# Altium PCB OECU_BASE.PcbDoc (part 6 of 6) (continued)
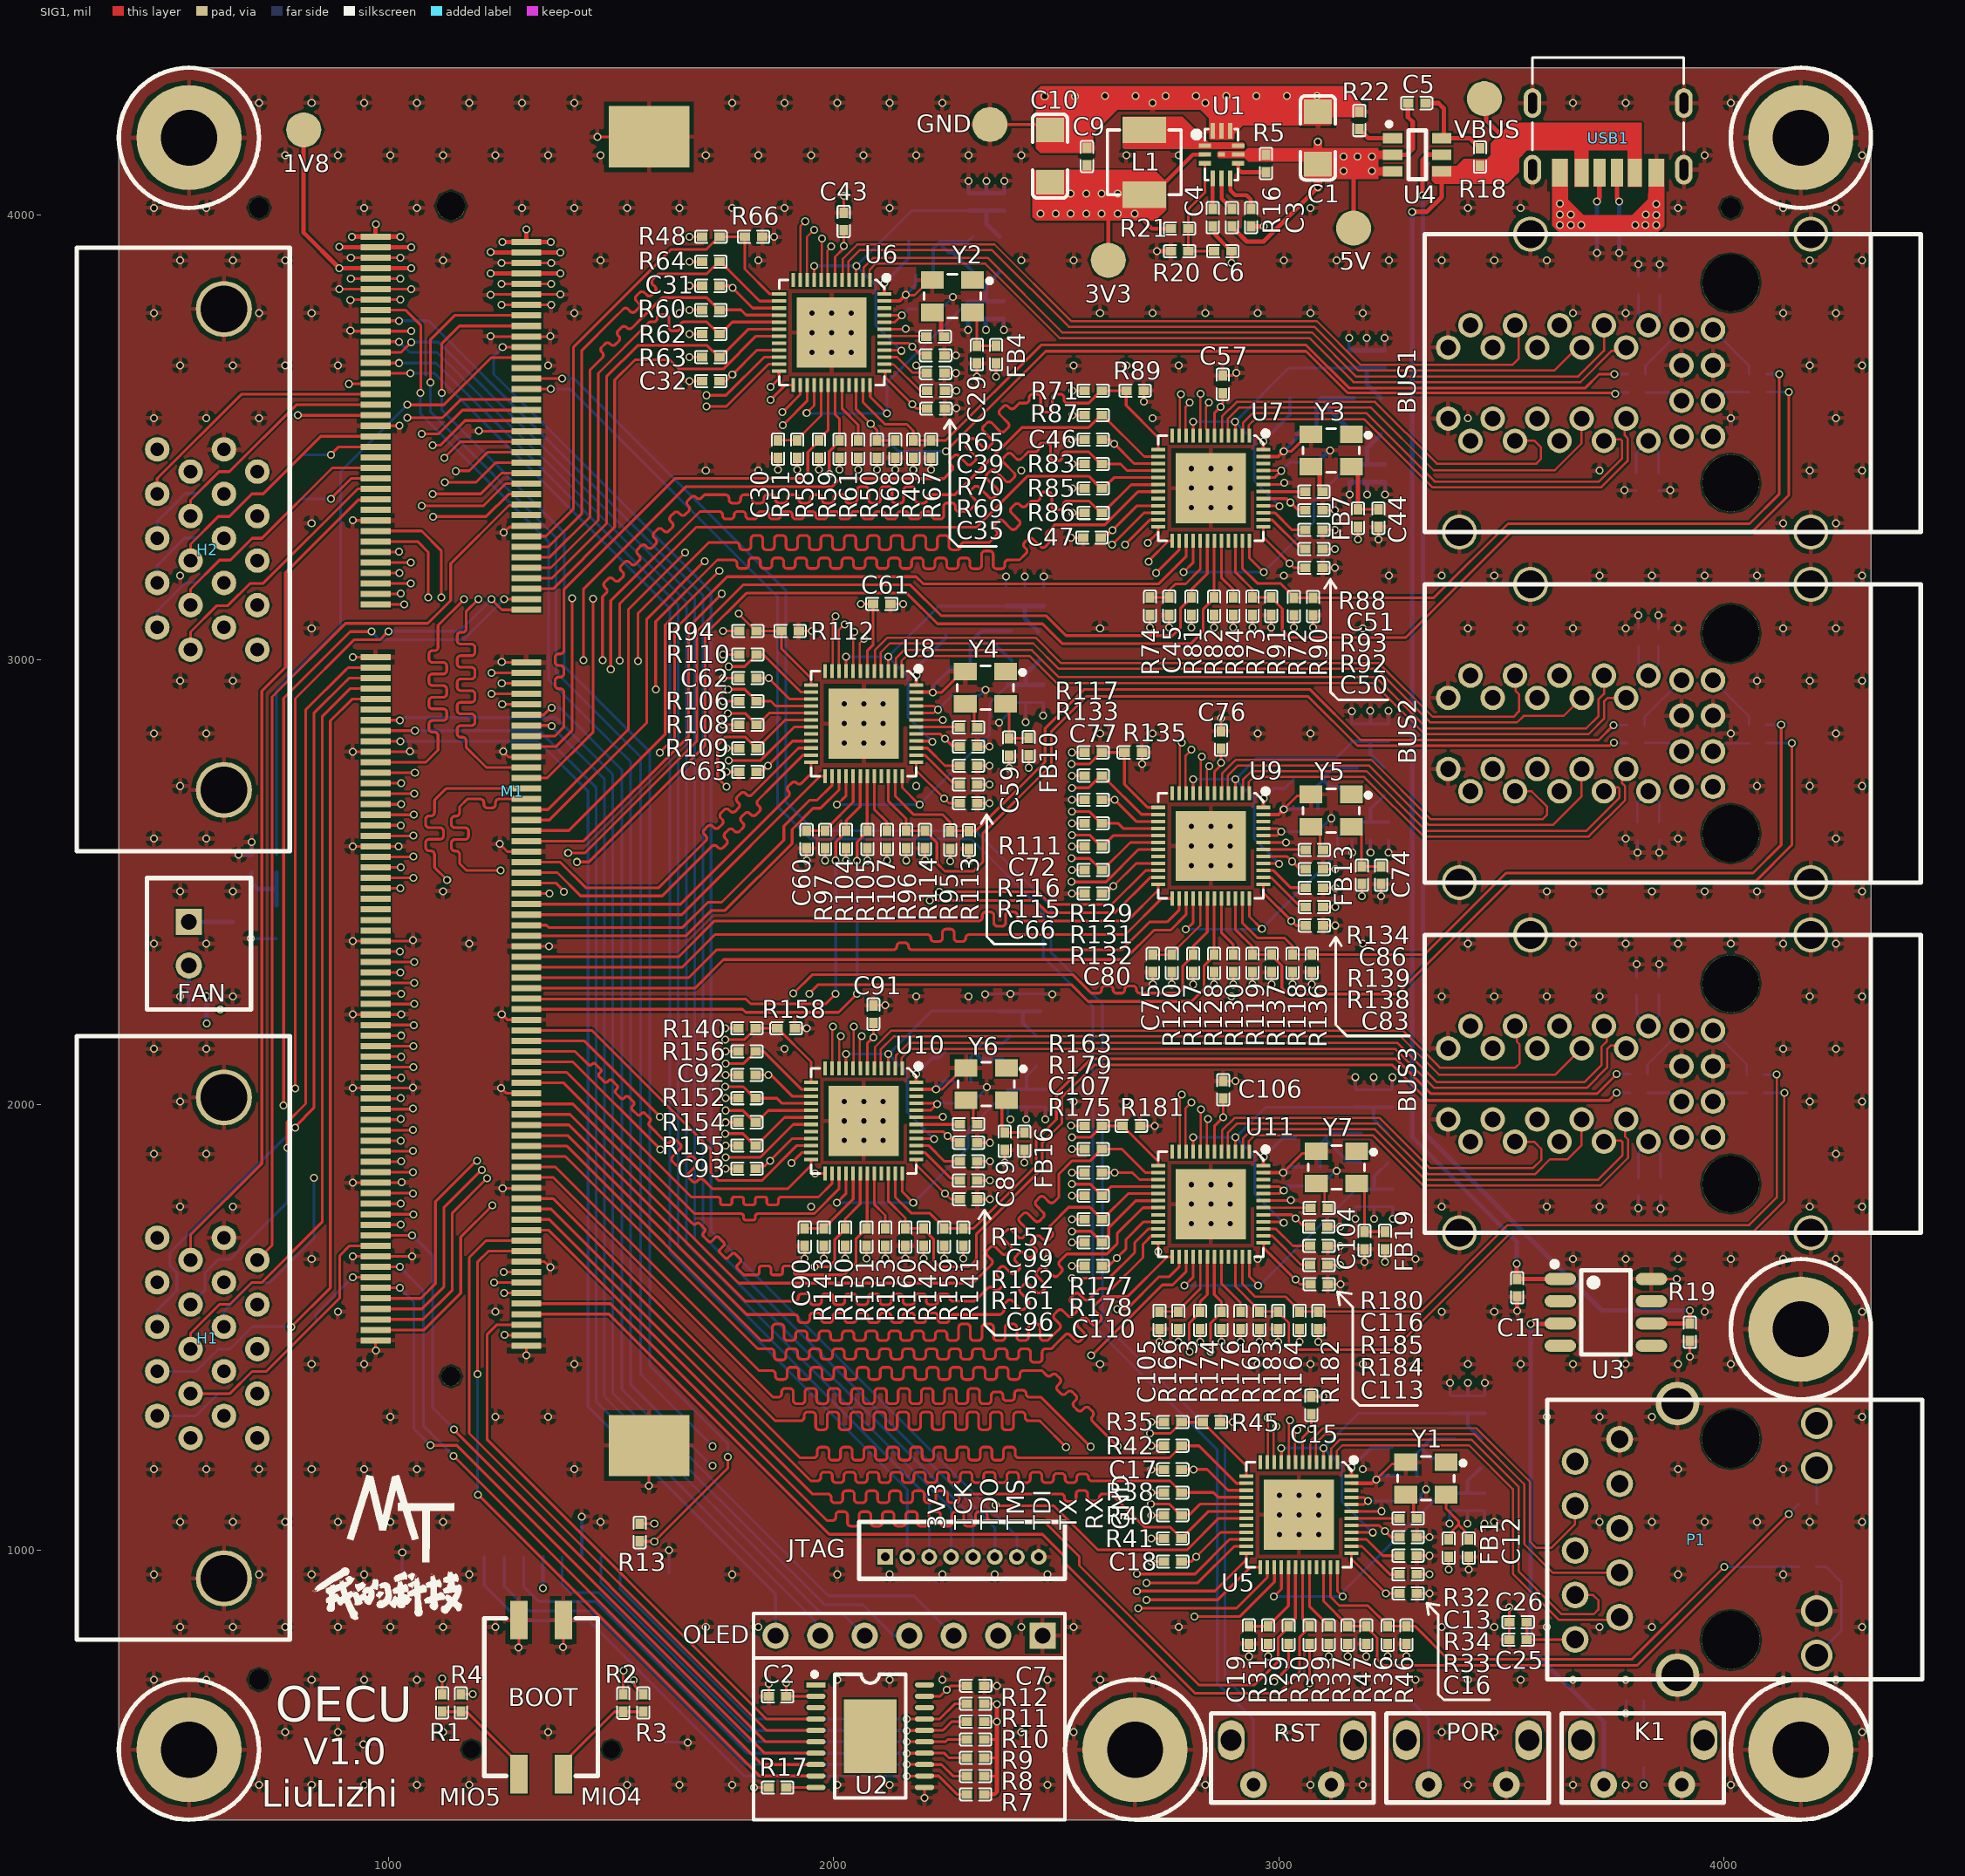
[diagram p0: SIG1 view]
## Nets (pads, with @x,y where several pads share a name; then routed paths per layer and width w, separated by ;. In a path a pad name is that pad's centre, name@x,y a point inside that pad or via, vN(x,y) a via of type N, cw(c..) or ccw(c..) an arc to the next point about the centre after c; other vN are vias at no path point) (continued)
  SIG1 w6: v1(2791,2395) 2793,2395 2808,2410 U9.28@2808,2464 ; U9.36@2934,2463.78 2934,2423 2961.14,2395.86 v1(2962,2395.86)
  SIG3 w6: v1(2791,2395) 2961.14,2395 v1(2962,2395.86) 3132,2565.86 3132,2600.57 3157.94,2626.5 3164.78,2633.35 C84.2@3164.78,2635.32 ; C81.2@3206,2635 C81.2@3206,2635.32 ; FB14.2@3220.02,2679.71 3221.01,2679.71 3236.32,2695.02 FB14.2@3236.32,2696 ; C78.2@3246.32,2635.32 C78.2@3247,2636
  SIG3 w8: C84.2@3164.78,2635.32 C81.2@3206,2635.32 ; FB14.2@3220.02,2679.71 3206,2665.68 C81.2@3206,2635.32 ; C78.2@3246.32,2635.32 C81.2@3206,2635.32
PHY5_1V05: C103.2 FB17.1 FB18.1 L7.1 | length 254
  SIG3 w6: L7.1@2307.69,2106.65 L7.1@2321.04,2120 ; L7.1@2321.04,2113.9 L7.1@2321.04,2120 ; L7.1@2321.04,2126.1 L7.1@2321.04,2120
  SIG3 w8: C103.2@2307.69,2054 L7.1@2307.69,2106.65 ; L7.1@2321.04,2113.9 2332.44,2102.5 2380.38,2102.5 2394.68,2088.19 FB17.1@2394.68,2088 ; L7.1@2321.04,2126.1 2333.44,2138.5 2375.69,2138.5 2375.9,2138.71 2380.38,2138.71 2394.68,2153.02 FB18.1@2394.68,2154
PHY5_1V05A: C95.2 C98.2 C101.2 FB18.2 U10.3 U10.9 U10.40 | length 885.1
  SIG1 w6: U10.9@2028.02,2082.11 v1(2028,2114) ; U10.3@2122.5,2082.11 2122.5,2113.5 v1(2123,2114) ; U10.40@2185.5,1924.63 2224.37,1924.63 v1(2226,1923)
  SIG3 w6: v1(2028,2114) v1(2123,2114) ; v1(2226,1923) 2165,1984 2165,2072 v1(2123,2114) ; C101.2@2370,2211 2220,2211 v1(2123,2114) ; FB18.2@2439.02,2170.29 2440.01,2170.29 2455.32,2154.98 FB18.2@2455.32,2154
  SIG3 w8: C101.2@2370,2210 C98.2@2425,2210 ; FB18.2@2439.02,2170.29 2425,2184.32 C98.2@2425,2210 ; C95.2@2465,2210 C98.2@2425,2210
PHY5_1V05D: C94.2 C97.2 C100.2 FB17.2 U10.28 U10.36 | length 813.3
  SIG1 w6: v1(2007,1780) 2028.02,1801.02 U10.28@2028.02,1845.89 ; U10.36@2154,1845.89 2154,1805 v1(2179,1780)
  SIG3 w6: v1(2007,1780) v1(2179,1780) 2302,1903 2302,1943.72 2391,2032.72 C100.2@2391,2034.69 ; C100.2@2393.16,2030 C100.2@2397.84,2034.69 ; FB17.2@2439.02,2071.71 2440.01,2071.71 2455.32,2087.02 FB17.2@2455.32,2088
  SIG3 w8: C100.2@2397.84,2034.69 C97.2@2433,2034.69 ; FB17.2@2439.02,2071.71 2433,2065.69 C97.2@2433,2034.69 ; C94.2@2476,2034.69 C97.2@2433,2034.69
PHY6_1V05: C117.2 FB20.1 FB21.1 L8.1 | length 258.1
  SIG3 w6: L8.1@3092.69,1912.65 L8.1@3107.04,1927 ; L8.1@3116.04,1936 L8.1@3107.04,1927 ; L8.1@3126.87,1901.06 3107.04,1920.9 L8.1@3107.04,1927 ; FB20.1@3181.54,1873.15 FB20.1@3184.68,1870
  SIG3 w8: C117.2@3092.69,1861 L8.1@3092.69,1912.65 ; L8.1@3116.04,1936 FB21.1@3184.68,1936 ; L8.1@3126.87,1901.06 3154.79,1873.15 FB20.1@3181.54,1873.15
PHY6_1V05A: C109.2 C112.2 C115.2 FB21.2 U11.3 U11.9 U11.40 | length 895.6
  SIG1 w6: U11.9@2808.02,1895 v1(2808,1927) ; U11.3@2902.5,1895 2902.5,1926.5 v1(2903,1927) ; U11.40@2965.5,1737.52 3005.31,1737.52 3007.83,1735 v1(3011,1735)
  SIG3 w6: v1(2808,1927) v1(2903,1927) ; v1(3011,1735) 2946,1800 2946,1884 v1(2903,1927) ; C109.2@3172,1995 2971,1995 v1(2903,1927) ; FB21.2@3229.02,1952.29 3230.01,1952.29 3245.32,1936.98 FB21.2@3245.32,1936
  SIG3 w8: C109.2@3172,1995 C112.2@3213,1995 ; FB21.2@3229.02,1952.29 3213,1968.32 C112.2@3213,1995 ; C115.2@3255,1995 C112.2@3213,1995
PHY6_1V05D: C108.2 C111.2 C114.2 FB20.2 U11.28 U11.36 | length 778.5
  SIG1 w6: v1(2788,1594) 2789,1594 2808.02,1613.02 U11.28@2808.02,1658.78 ; U11.36@2934,1658.78 2934,1614 v1(2954,1594)
  SIG3 w6: v1(2788,1594) v1(2954,1594) 2956.24,1596.24 2959.53,1596.24 3165.16,1801.87 3172,1808.72 C114.2@3172,1810.69 ; FB20.2@3229.02,1853.71 3230.01,1853.71 3245.32,1869.02 FB20.2@3245.32,1870
  SIG3 w8: C114.2@3172,1810.69 C111.2@3214,1810.69 ; FB20.2@3229.02,1853.71 3214,1838.69 C111.2@3214,1810.69 ; C108.2@3256,1810.69 C111.2@3214,1810.69
PHY_1V05: C20.2 FB2.1 FB3.1 L2.1 | length 239.3
  SIG3 w6: L2.1@3310.69,1217.65 L2.1@3324.04,1231
  SIG3 w8: C20.2@3310.69,1167 L2.1@3310.69,1217.65 ; FB2.1@3392.68,1184 3383.75,1192.94 3367.06,1192.94 3353.94,1206.06 3342.87,1206.06 3324.04,1224.9 L2.1@3324.04,1231 3342.04,1249 FB3.1@3394.68,1249
PHY_1V05A: C22.2 C24.2 C28.2 FB3.2 U5.3 U5.9 U5.40 | length 907.9
  SIG1 w6: U5.9@3006.02,1197 v1(3006,1229) ; U5.3@3100.5,1197 3100.5,1228.5 v1(3101,1229) ; U5.40@3163.5,1039.52 3210.48,1039.52 v1(3211,1039)
  SIG3 w6: v1(3006,1229) v1(3101,1229) ; v1(3211,1039) 3142,1108 3142,1188 v1(3101,1229) ; C22.2@3385,1307 3179,1307 v1(3101,1229)
  SIG3 w8: C22.2@3385,1307 3385.13,1306.87 C24.2@3425,1306.87 ; C24.2@3425,1307 C24.2@3425,1306.87 ; FB3.2@3455.32,1249 3455.32,1249.98 3440.01,1265.29 3439.02,1265.29 3425,1279.32 C24.2@3425,1306.87 ; C28.2@3462.87,1306.87 C24.2@3425,1306.87
PHY_1V05D: C21.2 C23.2 C27.2 FB2.2 U5.28 U5.36 | length 787.9
  SIG1 w6: v1(2989,895) 3006.02,912.02 U5.28@3006.02,960.78 ; U5.36@3132,960.78 3132,907 v1(3144,895)
  SIG3 w6: v1(2989,895) v1(3144,895) 3145.38,896.38 3145.38,906.88 3366.5,1128 C27.2@3384,1128
  SIG3 w8: C27.2@3384,1128 C23.2@3424,1128 ; FB2.2@3453.32,1184 3453.32,1183.02 3438.01,1167.71 3437.02,1167.71 3424,1154.68 C23.2@3424,1128 ; C21.2@3461.87,1127.87 3461.74,1128 C23.2@3424,1128
PHY_AD0: R37.2 R44.1 R47.1 U5.34 | length 1383.6
  SIG1 w6: U5.34@3100.5,960.78 3100.5,884.83 3155,830.34 R37.2@3155,828.37 R47.1@3197,828.37 3197,826.4 3221,802.4 3221,755 3235,741 3806,741 v1(4146,1081)
  SIG3 w6: v1@4146.35,1081 4160.5,1095.16 4167.35,1102 R44.1@4169.31,1102
PHY_AD1: R36.2 R43.1 R46.1 U5.35 | length 1263.7
  SIG1 w6: U5.35@3116.25,960.78 3116.25,894.75 3136,875 3200.34,875 3245,830.34 R36.2@3245,828.37 R46.1@3287,828.37 3306.63,828.37 3381,754 3793,754 v1(4001,962)
  SIG3 w6: v1(4001,962) R43.1@4168.31,962
PHYRST0: C19.1 R31.2 U5.29 | length 195.5
  SIG1 w6.16: C19.1@2933,828.37 R31.2@2976,828.37 2976,830.34 2982.76,837.1 2984.73,837.1 3021.76,874.13 U5.29@3021.76,960.78
PHYRST1: C30.1 R51.2 U6.29 | length 189.4
  SIG1 w5: C30.1@1875,3493.18 R51.2@1918,3493.19 1918,3495.15 1925.34,3502.5 1971.76,3548.92 U6.29@1971.76,3617.28
PHYRST2: C45.1 R74.2 U7.29 | length 213.1
  SIG1 w5.61: R74.2@2711,3140 C45.1@2754,3140 2754,3157 2768,3171 2791,3171 2823.76,3203.76 U7.29@2823.76,3267.78
PHYRST3: C60.1 R97.2 U8.29 | length 190.8
  SIG1 w6.16: C60.1@1939,2616 R97.2@1981,2616 1981,2617.97 1987.76,2624.73 2043.76,2680.73 U8.29@2043.76,2738.78
PHYRST4: C75.1 R120.2 U9.29 | length 193.5
  SIG1 w5: C75.1@2717,2337.68 R120.2@2760,2337.69 ; R120.2@2760,2339.65 2823.76,2403.42 U9.29@2823.76,2463.78
PHYRST5: C90.1 R143.2 U10.29 | length 194.6
  SIG1 w6.16: C90.1@1935,1722.68 R143.2@1978,1722.69 1978,1724.65 1984.76,1731.42 1986.73,1731.42 2043.76,1788.45 U10.29@2043.76,1845.89
PHYRST6: C105.1 R166.2 U11.29 | length 185.7
  SIG1 w5.61: C105.1@2732,1535.68 R166.2@2774,1535.69 2774,1537.65 2781.04,1544.69 2823.76,1587.42 U11.29@2823.76,1658.78
PL_GCLK: M1.119
PS_POR_B: M1.26
PS_SRST_B: M1.30 RST.2 | length 4082.6
  SIG1 w6: M1.30@1309.29,3608.58 1309.71,3609 v1(1364,3609)
  SIG3 w6: v1(1364,3609) 1406.92,3609 1873.5,3142.42 1873.5,2671.25 1947.25,2597.5 2309,2597.5 2471,2435.5 2471,2333 2582,2222 2582,1505 2862,1225 2862,700 2943.11,618.89 RST.2@2943.11,472.44
R19: M1.125
RESET_POR: M1.28 POR.2 | length 4488.1
  SIG1 w6: M1.28@1309.29,3632.2 1309.5,3632 v1(1390,3632)
  SIG3 w6: v1(1390,3632) 1416.52,3632 1892,3156.52 1892,2681.02 1957.02,2616 2318,2616 2488.5,2445.5 2488.5,2342 2604,2226.5 2604,1512 2879,1237 2879,713 2932,660 3298,660 3336.81,621.19 POR.2@3336.81,472.44
RXDLY: R39.1 U5.32 | length 150.2
  SIG1 w6.16: U5.32@3069.01,960.78 3069.01,873.33 3105.24,837.1 3112,830.34 R39.1@3112,828.37
SD_CK: J1.5 R10.2 U2.15 | length 1119.2
  SIG1 w6: v1(2164,569) 2203.99,569 U2.15@2204.09,568.9 2250.9,568.9 2256,574 2299.15,574 R10.2@2299.2,573.95
  SIG3 w6: J1.5@1390.13,984.25 1390.13,922.87 1409,904 1473,904 1808,569 v1(2164,569)
SD_CMD: J1.3 R9.2 U2.14 | length 1222.1
  SIG1 w6: U2.14@2204.09,543.31 2248.69,543.31 2259.05,532.95 R9.2@2299.2,532.95
  SIG1 w6.16: v1(2164,543) 2203.79,543 U2.14@2204.09,543.31
  SIG3 w6.16: J1.3@1303.27,984.25 1303.27,917.73 1337,884 1465,884 1806,543 v1(2164,543)
SD_D0: J1.7 R11.2 U2.16 | length 1026.2
  SIG1 w6: U2.16@2204.09,594.49 2245.49,594.49 2264.95,613.95 R11.2@2299.2,613.95
  SIG1 w6.16: v1(2164,594) 2203.61,594 U2.16@2204.09,594.49
  SIG3 w6.16: J1.7@1476.99,984.25 1476.99,926.01 1809,594 v1(2164,594)
SD_D1: J1.8 R12.2 U2.17 | length 985.7
  SIG1 w6: v1(2163.69,620) 2204.02,620 U2.17@2204.09,620.08 2238.08,620.08 2271.95,653.95 R12.2@2299.2,653.95
  SIG3 w6: J1.8@1520.42,984.25 1520.42,912.58 1813,620 v1(2163.69,620)
SD_D2: J1.1 R7.2 U2.12 | length 1342.9
  SIG1 w6: U2.12@2204.09,492.12 2235.88,492.12 2277.05,450.95 R7.2@2299.2,450.95
  SIG1 w6.16: v1(2164,492) 2203.97,492 U2.12@2204.09,492.12
  SIG3 w6.16: J1.1@1214.92,984.25 1214.92,920.08 1294,841 1450,841 1799,492 v1(2164,492)
SD_D3: J1.2 R8.2 U2.13 | length 1282
  SIG1 w6: v1(2164,518) 2203.81,518 U2.13@2204.09,517.71 2242.29,517.71 2268.05,491.95 R8.2@2299.2,491.95
  SIG3 w6: J1.2@1259.84,984.25 1259.84,918.16 1315,863 1456,863 1801,518 v1(2164,518)
T19: M1.123
U13: M1.54
U19: M1.121
V5: M1.43
V13: M1.53
VBUS: C11.1 R18.2 U3.1 U4.4 USB1.2 USB1.5 VBUS.1 | length 2863.2
  SIG1 w10: v1(3300,4007) 3333,4007 3366.12,4040.12 U4.4@3366.12,4097.6 ; 3416,4093 3417,4094 ; VBUS.1@3462,4261 3466.51,4256.49 3466.51,4212.49 3523,4156 ; C11.1@3535,1607.68 C11.1@3536,1608.68 ; v1(3535,1643) 3535,1619.5 3535,1609.69 C11.1@3536,1608.68 ; U3.1@3632.64,1609 3536.31,1609 C11.1@3536,1608.68
  SIG3 w10: v1(3300,4007) 3300,1927 3535,1692 v1(3535,1643)
pads on no net: BUS1. BUS2. BUS3. J1.11 J1.12 K1.0 M1.A P1. POR.0 RST.0 U2.0 U2.1 U2.3 U2.18 U2.20 U3.2 U3.4 U3.5 U3.7 U5.12 U5.20 U5.33 U5.46 U6.12 U6.20 U6.33 U6.46 U7.12 U7.20 U7.33 U7.46 U8.12 U8.20 U8.33 U8.46 U9.12 U9.20 U9.33 U9.46 U10.12 U10.20 U10.33 U10.46 U11.12 U11.20 U11.33 U11.46 Y1.1 Y2.1 Y3.1 Y4.1 Y5.1 Y6.1 Y7.1

## Polygon pours and split planes (outlines as drawn)
GND on SIG3 "GND_L06_P002" (solid, remove dead copper, pour order 2): 551.18,393.7 cw(c551.18,551.18) 393.7,551.18 393.7,4173.23 cw(c551.18,4173.23) 551.18,4330.71 4173.23,4330.71 cw(c4173.23,4173.23) 4330.71,4173.23 4330.71,551.18 cw(c4173.23,551.18) 4173.23,393.7
GND on SIG1 "GND_L01_P000" (solid, remove dead copper, pour order 0): 551.18,393.7 cw(c551.18,551.18) 393.7,551.18 393.7,4173.23 cw(c551.18,4173.23) 551.18,4330.71 4173.23,4330.71 cw(c4173.23,4173.23) 4330.71,4173.23 4330.71,551.18 cw(c4173.23,551.18) 4173.23,393.7
GND on SIG2 "GND_L03_P001" (solid, remove dead copper, pour order 1): 551.18,393.7 cw(c551.18,551.18) 393.7,551.18 393.7,4173.23 cw(c551.18,4173.23) 551.18,4330.71 4173.23,4330.71 cw(c4173.23,4173.23) 4330.71,4173.23 4330.71,551.18 cw(c4173.23,551.18) 4173.23,393.7
GND on GND1 (split plane): 420.13,463.62 423.75,458.57 419.96,463.5 416.85,468.89
GND on GND1 (split plane): 447.26,432.68 452.06,428.74 447.12,432.53 442.73,436.92
GND on GND1 (split plane): 432.68,447.26 436.92,442.73 432.53,447.12 428.74,452.06
GND on GND1 (split plane): 396.59,520.43 398,514.39 396.4,520.39 395.58,526.56
GND on GND1 (split plane): 409.82,481.47 412.75,475.99 409.64,481.38 407.26,487.13
GND on GND1 (split plane): 401.93,500.52 404.12,494.71 401.74,500.45 400.13,506.46
GND on GND1 (split plane): 500.52,401.93 506.46,400.13 500.45,401.74 494.71,404.12
GND on GND1 (split plane): 540.87,393.9 547.08,393.7 540.86,393.7 534.7,394.51
GND on GND1 (split plane): 520.43,396.59 526.56,395.58 520.39,396.4 514.39,398
GND on GND1 (split plane): 4173.23,4330.65 4173.23,4330.64 4183.52,4330.31 4193.77,4329.3 4203.94,4327.62 4213.97,4325.28 4223.83,4322.29 4233.47,4318.66 4242.85,4314.41 4251.94,4309.55 4260.68,4304.11 4269.06,4298.11 4277.02,4291.58 4284.54,4284.54 4291.58,4277.02 4298.11,4269.06 4304.11,4260.68 4309.55,4251.94 4314.41,4242.85 4318.66,4233.47 4322.29,4223.83 4325.28,4213.97 4327.62,4203.94 4329.3,4193.77 4330.31,4183.52 4330.64,4173.23 4330.65,4173.23 4330.65,551.18 4330.64,551.18 4330.31,540.89 4329.3,530.63 4327.62,520.47 4325.28,510.44 4322.29,500.58 4318.66,490.94 4314.41,481.56 4309.55,472.47 4304.11,463.73 4298.11,455.35 4291.58,447.39 4284.54,439.87 4277.02,432.83 4269.06,426.3 4260.68,420.3 4251.94,414.86 4242.85,410 4233.47,405.75 4223.83,402.12 4213.97,399.13 4203.94,396.79 4193.77,395.11 4183.52,394.1 4173.23,393.77 4173.23,393.75 551.18,393.75 551.18,393.77 540.89,394.1 530.63,395.11 520.47,396.79 510.44,399.13 500.58,402.12 490.94,405.75 481.56,410 472.47,414.86 463.73,420.3 455.35,426.3 447.39,432.83 439.87,439.87 432.83,447.39 426.3,455.35 420.3,463.73 414.86,472.47 410,481.56 405.75,490.94 402.12,500.58 399.13,510.44 396.79,520.47 395.11,530.63 394.1,540.89 393.77,551.18 393.75,551.18 393.75,4173.23 393.77,4173.23 394.1,4183.52 395.11,4193.77 396.79,4203.94 399.13,4213.97 402.12,4223.83 405.75,4233.47 410,4242.85 414.86,4251.94 420.3,4260.68 426.3,4269.06 432.83,4277.02 439.87,4284.54 447.39,4291.58 455.35,4298.11 463.73,4304.11 472.47,4309.55 481.56,4314.41 490.94,4318.66 500.58,4322.29 510.44,4325.28 520.47,4327.62 530.63,4329.3 540.89,4330.31 551.18,4330.64 551.18,4330.65 4173.23,4330.65
GND on GND1 (split plane): 481.47,409.82 487.13,407.26 481.38,409.64 475.99,412.75
GND on GND1 (split plane): 463.62,420.13 468.89,416.85 463.5,419.96 458.57,423.75
GND on GND1 (split plane): 393.9,540.87 394.51,534.7 393.7,540.86 393.7,547.08
GND on GND1 (split plane): 393.9,4183.54 393.7,4177.33 393.7,4183.55 394.51,4189.71
GND on GND1 (split plane): 396.59,4203.98 395.58,4197.85 396.4,4204.02 398,4210.02
GND on GND1 (split plane): 401.93,4223.89 400.13,4217.95 401.74,4223.96 404.12,4229.7
GND on GND1 (split plane): 409.82,4242.94 407.26,4237.29 409.64,4243.03 412.75,4248.41
GND on GND1 (split plane): 420.13,4260.79 416.85,4255.52 419.96,4260.91 423.74,4265.84
GND on GND1 (split plane): 432.68,4277.15 428.74,4272.35 432.53,4277.28 436.92,4281.68
GND on GND1 (split plane): 447.26,4291.73 442.73,4287.49 447.12,4291.88 452.06,4295.67
GND on GND1 (split plane): 463.62,4304.28 458.57,4300.66 463.5,4304.45 468.89,4307.56
GND on GND1 (split plane): 481.47,4314.59 475.99,4311.66 481.38,4314.77 487.12,4317.15
GND on GND1 (split plane): 500.52,4322.48 494.71,4320.29 500.45,4322.67 506.45,4324.28
GND on GND1 (split plane): 520.43,4327.81 514.39,4326.41 520.39,4328.01 526.55,4328.83
GND on GND1 (split plane): 4183.55,393.7 4177.33,393.7 4183.54,393.9 4189.72,394.51
GND on GND1 (split plane): 4204.02,396.4 4197.85,395.58 4203.98,396.59 4210.02,398
GND on GND1 (split plane): 4223.96,401.74 4217.95,400.13 4223.89,401.93 4229.7,404.12
GND on GND1 (split plane): 4243.03,409.64 4237.29,407.26 4242.94,409.82 4248.41,412.75
GND on GND1 (split plane): 4260.91,419.96 4255.52,416.85 4260.79,420.13 4265.84,423.74
GND on GND1 (split plane): 4277.28,432.53 4272.35,428.74 4277.15,432.68 4281.68,436.92
GND on GND1 (split plane): 4291.88,447.12 4287.49,442.73 4291.73,447.26 4295.67,452.06
GND on GND1 (split plane): 4304.45,463.5 4300.66,458.57 4304.28,463.62 4307.56,468.89
GND on GND1 (split plane): 4314.77,481.38 4311.66,476 4314.59,481.47 4317.15,487.12
GND on GND1 (split plane): 4322.67,500.45 4320.29,494.71 4322.48,500.52 4324.28,506.45
GND on GND1 (split plane): 4328.01,520.39 4326.41,514.39 4327.81,520.43 4328.83,526.55
GND on GND1 (split plane): 4330.71,540.86 4329.9,534.7 4330.51,540.87 4330.71,547.07
GND on GND1 (split plane): 4223.96,4322.67 4229.7,4320.29 4223.89,4322.48 4217.95,4324.28
GND on GND1 (split plane): 4260.91,4304.45 4265.84,4300.67 4260.79,4304.28 4255.52,4307.56
GND on GND1 (split plane): 4243.03,4314.77 4248.41,4311.66 4242.94,4314.59 4237.29,4317.15
GND on GND1 (split plane): 540.87,4330.51 534.7,4329.9 540.86,4330.71 547.07,4330.71
GND on GND1 (split plane): 4204.02,4328.01 4210.02,4326.41 4203.98,4327.81 4197.86,4328.83
GND on GND1 (split plane): 4189.71,4329.9 4183.54,4330.51 4177.34,4330.71 4183.55,4330.71
GND on GND1 (split plane): 4322.67,4223.96 4324.28,4217.95 4322.48,4223.89 4320.29,4229.7
GND on GND1 (split plane): 4330.71,4183.55 4330.71,4177.34 4330.51,4183.54 4329.9,4189.71
GND on GND1 (split plane): 4328.01,4204.02 4328.83,4197.86 4327.81,4203.98 4326.41,4210.02
GND on GND1 (split plane): 4291.88,4277.28 4295.67,4272.35 4291.73,4277.15 4287.49,4281.68
GND on GND1 (split plane): 4277.28,4291.88 4281.68,4287.49 4277.15,4291.73 4272.35,4295.67
GND on GND1 (split plane): 4314.77,4243.03 4317.15,4237.29 4314.59,4242.94 4311.66,4248.41
GND on GND1 (split plane): 4304.45,4260.91 4307.56,4255.52 4304.28,4260.79 4300.67,4265.84
5V on POWER (split plane): 551.18,4290.62 4173.23,4290.62 4173.96,4290.67 4182.44,4290.34 4191.6,4289.25 4200.65,4287.45 4209.53,4284.95 4218.18,4281.76 4226.56,4277.9 4234.61,4273.39 4242.28,4268.26 4249.52,4262.55 4256.29,4256.29 4262.55,4249.52 4268.26,4242.28 4273.39,4234.61 4277.9,4226.56 4281.76,4218.18 4284.95,4209.53 4287.45,4200.65 4289.25,4191.6 4290.34,4182.44 4290.67,4173.96 4290.62,4173.23 4290.62,3963.1 2904.11,3963.1 2743.6,4123.6 2741.95,4124.71 2740,4125.1 1533,4125.1 1531.05,4124.71 1529.4,4123.6 1494.65,4088.85 1493.54,4087.2 1493.15,4085.25 1493.15,3904.1 726,3904.1 724.05,3903.71 722.4,3902.6 663.4,3843.6 662.29,3841.95 661.9,3840 661.9,1191 661.9,433.79 551.18,433.79 550.45,433.74 541.96,434.07 532.8,435.16 523.76,436.96 514.88,439.46 506.23,442.65 497.85,446.51 489.8,451.02 482.13,456.15 474.89,461.86 468.12,468.12 461.86,474.89 456.15,482.13 451.02,489.8 446.51,497.85 442.65,506.23 439.46,514.88 436.96,523.76 435.16,532.8 434.07,541.96 433.74,550.45 433.79,551.18 433.79,4173.23 433.74,4173.96 434.07,4182.44 435.16,4191.6 436.96,4200.65 439.46,4209.53 442.65,4218.18 446.51,4226.56 451.02,4234.61 456.15,4242.28 461.86,4249.52 468.12,4256.29 474.89,4262.55 482.13,4268.26 489.8,4273.39 497.85,4277.9 506.23,4281.76 514.88,4284.95 523.76,4287.45 532.8,4289.25 541.96,4290.34 550.45,4290.67
3V3 on POWER (split plane): 2898.4,3954.4 2900.05,3953.29 2902,3952.9 4290.62,3952.9 4290.62,551.18 4290.67,550.45 4290.34,541.96 4289.25,532.8 4287.45,523.76 4284.95,514.88 4281.76,506.23 4277.9,497.85 4273.39,489.8 4268.26,482.13 4262.55,474.89 4256.29,468.12 4249.52,461.86 4242.28,456.15 4234.61,451.02 4226.56,446.51 4218.18,442.65 4209.53,439.46 4200.65,436.96 4191.6,435.16 4182.44,434.07 4173.96,433.74 4173.23,433.79 3175.1,433.79 3175.1,676 3174.71,677.95 3173.6,679.6 3123.6,729.6 3121.95,730.71 3120,731.1 2922.11,731.1 2875.1,778.11 2875.1,1207 2874.71,1208.95 2873.6,1210.6 2818.6,1265.6 2816.95,1266.71 2815,1267.1 2660,1267.1 2658.05,1266.71 2656.4,1265.6 2604.4,1213.6 2603.29,1211.95 2602.9,1210 2602.9,719.11 2482.89,599.1 2047.11,599.1 2006.27,639.94 2006.27,699.83 2006.27,714.83 2005.88,716.78 2004.78,718.43 1980.6,742.6 1978.95,743.71 1977,744.1 1797,744.1 1795.05,743.71 1793.4,742.6 1772.69,721.9 1771.59,720.25 1771.2,718.3 1771.2,639.41 1748.89,617.1 1125.11,617.1 1097.1,645.11 1097.1,1078 1096.71,1079.95 1095.6,1081.6 860.1,1317.11 860.1,3768.89 907.11,3815.9 1463,3815.9 1464.95,3816.29 1466.6,3817.4 1501.85,3852.65 1502.96,3854.3 1503.35,3856.25 1503.35,3899 1503.35,4083.14 1535.11,4114.9 2737.89,4114.9
1V8 on POWER (split plane): 1493.15,3858.36 1460.89,3826.1 905,3826.1 903.05,3825.71 901.4,3824.6 851.4,3774.6 850.29,3772.95 849.9,3771 849.9,1315 850.29,1313.05 851.4,1311.4 1086.9,1075.89 1086.9,643 1087.29,641.05 1088.4,639.4 1119.4,608.4 1121.05,607.29 1123,606.9 1751,606.9 1752.95,607.29 1754.6,608.4 1779.9,633.69 1781.01,635.35 1781.4,637.3 1781.4,716.19 1799.11,733.9 1974.89,733.9 1996.08,712.71 1996.08,699.83 1996.08,637.83 1996.46,635.87 1997.57,634.22 2041.4,590.4 2043.05,589.29 2045,588.9 2485,588.9 2486.95,589.29 2488.6,590.4 2611.6,713.4 2612.71,715.05 2613.1,717 2613.1,1207.89 2662.11,1256.9 2812.89,1256.9 2864.9,1204.89 2864.9,776 2865.29,774.05 2866.4,772.4 2916.4,722.4 2918.05,721.29 2920,720.9 3117.89,720.9 3164.9,673.89 3164.9,433.79 672.1,433.79 672.1,1191 672.1,3837.89 728.11,3893.9 1493.15,3893.9
GND on GND2 (split plane): 420.13,463.62 423.75,458.57 419.96,463.5 416.85,468.89
GND on GND2 (split plane): 447.26,432.68 452.06,428.74 447.12,432.53 442.73,436.92
GND on GND2 (split plane): 432.68,447.26 436.92,442.73 432.53,447.12 428.74,452.06
GND on GND2 (split plane): 396.59,520.43 398,514.39 396.4,520.39 395.58,526.56
GND on GND2 (split plane): 409.82,481.47 412.75,475.99 409.64,481.38 407.26,487.13
GND on GND2 (split plane): 401.93,500.52 404.12,494.71 401.74,500.45 400.13,506.46
GND on GND2 (split plane): 500.52,401.93 506.46,400.13 500.45,401.74 494.71,404.12
GND on GND2 (split plane): 540.87,393.9 547.08,393.7 540.86,393.7 534.7,394.51
GND on GND2 (split plane): 520.43,396.59 526.56,395.58 520.39,396.4 514.39,398
GND on GND2 (split plane): 4173.23,4330.65 4173.23,4330.64 4183.52,4330.31 4193.77,4329.3 4203.94,4327.62 4213.97,4325.28 4223.83,4322.29 4233.47,4318.66 4242.85,4314.41 4251.94,4309.55 4260.68,4304.11 4269.06,4298.11 4277.02,4291.58 4284.54,4284.54 4291.58,4277.02 4298.11,4269.06 4304.11,4260.68 4309.55,4251.94 4314.41,4242.85 4318.66,4233.47 4322.29,4223.83 4325.28,4213.97 4327.62,4203.94 4329.3,4193.77 4330.31,4183.52 4330.64,4173.23 4330.65,4173.23 4330.65,551.18 4330.64,551.18 4330.31,540.89 4329.3,530.63 4327.62,520.47 4325.28,510.44 4322.29,500.58 4318.66,490.94 4314.41,481.56 4309.55,472.47 4304.11,463.73 4298.11,455.35 4291.58,447.39 4284.54,439.87 4277.02,432.83 4269.06,426.3 4260.68,420.3 4251.94,414.86 4242.85,410 4233.47,405.75 4223.83,402.12 4213.97,399.13 4203.94,396.79 4193.77,395.11 4183.52,394.1 4173.23,393.77 4173.23,393.75 551.18,393.75 551.18,393.77 540.89,394.1 530.63,395.11 520.47,396.79 510.44,399.13 500.58,402.12 490.94,405.75 481.56,410 472.47,414.86 463.73,420.3 455.35,426.3 447.39,432.83 439.87,439.87 432.83,447.39 426.3,455.35 420.3,463.73 414.86,472.47 410,481.56 405.75,490.94 402.12,500.58 399.13,510.44 396.79,520.47 395.11,530.63 394.1,540.89 393.77,551.18 393.75,551.18 393.75,4173.23 393.77,4173.23 394.1,4183.52 395.11,4193.77 396.79,4203.94 399.13,4213.97 402.12,4223.83 405.75,4233.47 410,4242.85 414.86,4251.94 420.3,4260.68 426.3,4269.06 432.83,4277.02 439.87,4284.54 447.39,4291.58 455.35,4298.11 463.73,4304.11 472.47,4309.55 481.56,4314.41 490.94,4318.66 500.58,4322.29 510.44,4325.28 520.47,4327.62 530.63,4329.3 540.89,4330.31 551.18,4330.64 551.18,4330.65 4173.23,4330.65
GND on GND2 (split plane): 481.47,409.82 487.13,407.26 481.38,409.64 475.99,412.75
GND on GND2 (split plane): 463.62,420.13 468.89,416.85 463.5,419.96 458.57,423.75
GND on GND2 (split plane): 393.9,540.87 394.51,534.7 393.7,540.86 393.7,547.08
GND on GND2 (split plane): 393.9,4183.54 393.7,4177.33 393.7,4183.55 394.51,4189.71
GND on GND2 (split plane): 396.59,4203.98 395.58,4197.85 396.4,4204.02 398,4210.02
GND on GND2 (split plane): 401.93,4223.89 400.13,4217.95 401.74,4223.96 404.12,4229.7
GND on GND2 (split plane): 409.82,4242.94 407.26,4237.29 409.64,4243.03 412.75,4248.41
GND on GND2 (split plane): 420.13,4260.79 416.85,4255.52 419.96,4260.91 423.74,4265.84
GND on GND2 (split plane): 432.68,4277.15 428.74,4272.35 432.53,4277.28 436.92,4281.68
GND on GND2 (split plane): 447.26,4291.73 442.73,4287.49 447.12,4291.88 452.06,4295.67
GND on GND2 (split plane): 463.62,4304.28 458.57,4300.66 463.5,4304.45 468.89,4307.56
GND on GND2 (split plane): 481.47,4314.59 475.99,4311.66 481.38,4314.77 487.12,4317.15
GND on GND2 (split plane): 500.52,4322.48 494.71,4320.29 500.45,4322.67 506.45,4324.28
GND on GND2 (split plane): 520.43,4327.81 514.39,4326.41 520.39,4328.01 526.55,4328.83
GND on GND2 (split plane): 4183.55,393.7 4177.33,393.7 4183.54,393.9 4189.72,394.51
GND on GND2 (split plane): 4204.02,396.4 4197.85,395.58 4203.98,396.59 4210.02,398
GND on GND2 (split plane): 4223.96,401.74 4217.95,400.13 4223.89,401.93 4229.7,404.12
GND on GND2 (split plane): 4243.03,409.64 4237.29,407.26 4242.94,409.82 4248.41,412.75
GND on GND2 (split plane): 4260.91,419.96 4255.52,416.85 4260.79,420.13 4265.84,423.74
GND on GND2 (split plane): 4277.28,432.53 4272.35,428.74 4277.15,432.68 4281.68,436.92
GND on GND2 (split plane): 4291.88,447.12 4287.49,442.73 4291.73,447.26 4295.67,452.06
GND on GND2 (split plane): 4304.45,463.5 4300.66,458.57 4304.28,463.62 4307.56,468.89
GND on GND2 (split plane): 4314.77,481.38 4311.66,476 4314.59,481.47 4317.15,487.12
GND on GND2 (split plane): 4322.67,500.45 4320.29,494.71 4322.48,500.52 4324.28,506.45
GND on GND2 (split plane): 4328.01,520.39 4326.41,514.39 4327.81,520.43 4328.83,526.55
GND on GND2 (split plane): 4330.71,540.86 4329.9,534.7 4330.51,540.87 4330.71,547.07
GND on GND2 (split plane): 4223.96,4322.67 4229.7,4320.29 4223.89,4322.48 4217.95,4324.28
GND on GND2 (split plane): 4260.91,4304.45 4265.84,4300.67 4260.79,4304.28 4255.52,4307.56
GND on GND2 (split plane): 4243.03,4314.77 4248.41,4311.66 4242.94,4314.59 4237.29,4317.15
GND on GND2 (split plane): 540.87,4330.51 534.7,4329.9 540.86,4330.71 547.07,4330.71
GND on GND2 (split plane): 4204.02,4328.01 4210.02,4326.41 4203.98,4327.81 4197.86,4328.83
GND on GND2 (split plane): 4189.71,4329.9 4183.54,4330.51 4177.34,4330.71 4183.55,4330.71
GND on GND2 (split plane): 4322.67,4223.96 4324.28,4217.95 4322.48,4223.89 4320.29,4229.7
GND on GND2 (split plane): 4330.71,4183.55 4330.71,4177.34 4330.51,4183.54 4329.9,4189.71
GND on GND2 (split plane): 4328.01,4204.02 4328.83,4197.86 4327.81,4203.98 4326.41,4210.02
GND on GND2 (split plane): 4291.88,4277.28 4295.67,4272.35 4291.73,4277.15 4287.49,4281.68
GND on GND2 (split plane): 4277.28,4291.88 4281.68,4287.49 4277.15,4291.73 4272.35,4295.67
GND on GND2 (split plane): 4314.77,4243.03 4317.15,4237.29 4314.59,4242.94 4311.66,4248.41
GND on GND2 (split plane): 4304.45,4260.91 4307.56,4255.52 4304.28,4260.79 4300.67,4265.84

## Other copper
SIG1:
  region net GND: 3830.71,4062.99 3830.71,4125.98 3866.14,4125.98 3866,4125.84 3866,3975 3851,3960 3630,3960 3614.17,3975.83 3614.17,4125.98 3649.61,4125.98 3649.61,4034.39 3685,3999 3794,3999 3830.5,4035.5
  region net VBUS: 3664.57,4125.98 3664.57,4062.99 3696.06,4062.99 3696.06,4206.25 3695.32,4207 3667.32,4207 3665.32,4205
  region net VBUS: 3784.25,4125.98 3784.25,4062.99 3815.75,4062.99 3815.75,4206.25 3815,4207 3787,4207 3785,4205
  region net 3V3: 2454,4101 2721,4101 2747,4075 2747,4011 2723,3987 2455,3987 2447,3995 2447,4094
  region net GND: 3191,4220 3120,4220 3120,4205 3116,4201 2920,4201 2900,4181 2900,4172 2897,4169 2846,4169 2843,4172 2843,4217 2824,4236 2638,4236 2583,4181 2583,4143 2579,4139 2464,4139 2454,4149 2454,4278 2465,4289 3147,4289 3191,4245
  region net 5V: 2862,4140 2865,4143 2924,4143 2931,4150 3088,4150 3088,4120 2932,4120 2924,4128 2865,4128 2862,4131
  region net NetL1_2: 2923,4150 2923,4160 2920,4163 2842,4163 2784,4221 2649,4221 2649,4151 2652,4148 2921,4148
  region net 5V: 3224,4150 3224,4081 3061,4081 3056,4086 3056,4141 3065,4150
  region net VBUS: 3552,4207 3522,4207 3476,4161 3476,4131
  region net VBUS: 3344,4077 3344,4110 3400,4110 3416,4126 3468,4126 3501,4159 3549,4207 3815,4207 3815,4144.99 3557.99,4144.99 3540,4127 3540,4096 3514,4070 3351,4070
POWER (plane layer: these items are gaps in the copper):
  lines w10: 903.2,393.7 667,393.7 667,1191 667,3840 726,3899 1498.25,3899 ; 2799,395.27 3128,395.27 3170,395.27 3170,676 3120,726 2920,726 2870,776 2870,1207 2815,1262 2660,1262 2608,1210 2608,717 2485,594 2045,594 2001.17,637.83 2001.17,699.83 2001.17,714.83 1977,739 1797,739 1776.3,718.3 1776.3,637.3 1751,612 1123,612 1092,643 1092,1078 855,1315 855,3771 905,3821 1463,3821 1498.25,3856.25 1498.25,3899 ; 4329.88,3952 4323.88,3958 3566,3958 2902,3958 2740,4120 1664,4120 1533,4120 1498.25,4085.25 1498.25,3899

## Silkscreen, mask and mechanical layers (free items; w line width, h text height)
Top Overlay:
  drawing of 3092 lines, arcs and shapes, not listed
  text "3V3 / TCK / TDO / TMS / TDI / TX / RX / GND" at 2664.41,1045.03 h39.37 r90
  text "OECU" at 745.42,614.64 h78.74
  text "V1.0" at 807.95,517.51 h60
  text "MIO4" at 1431.62,426.82 h39.37
  text "MIO5" at 1114.12,425.32 h39.37
  text "LiuLizhi" at 713.75,422.51 h60
Bottom Overlay:
  drawing of 3050 lines, arcs and shapes, not listed
  text "*Made on Earth by humans*" at 1698.78,4271.96 h60 r180
Mechanical 1:
  the board outline again, w10

## Text inside footprints (layer, text, board x,y; h text height)
P1: Mechanical 10 "18" at 4016,1269.61 h40; Mechanical 10 "17" at 4016,817.64 h40